# Altium PCB e-puck3-coreboard.PcbDoc (part 2 of 7)
Units mm, origin at the board's own origin, x right, y up, seen from the top; angles counter-clockwise.
Board outline 42.5 x 39.5 mm, 10 copper layers (Top Layer, Top GND Plane, Top Mid Layer 1, Top Mid Layer 2, Mid GND Plane, Bot Mid Layer 3, Bot Mid Layer 2, Bot Mid Layer 1, Bot GND Plane, Bottom Layer), stack 1.366 mm thick; 292 components, 337 nets, 1581 pads, 7018 vias.
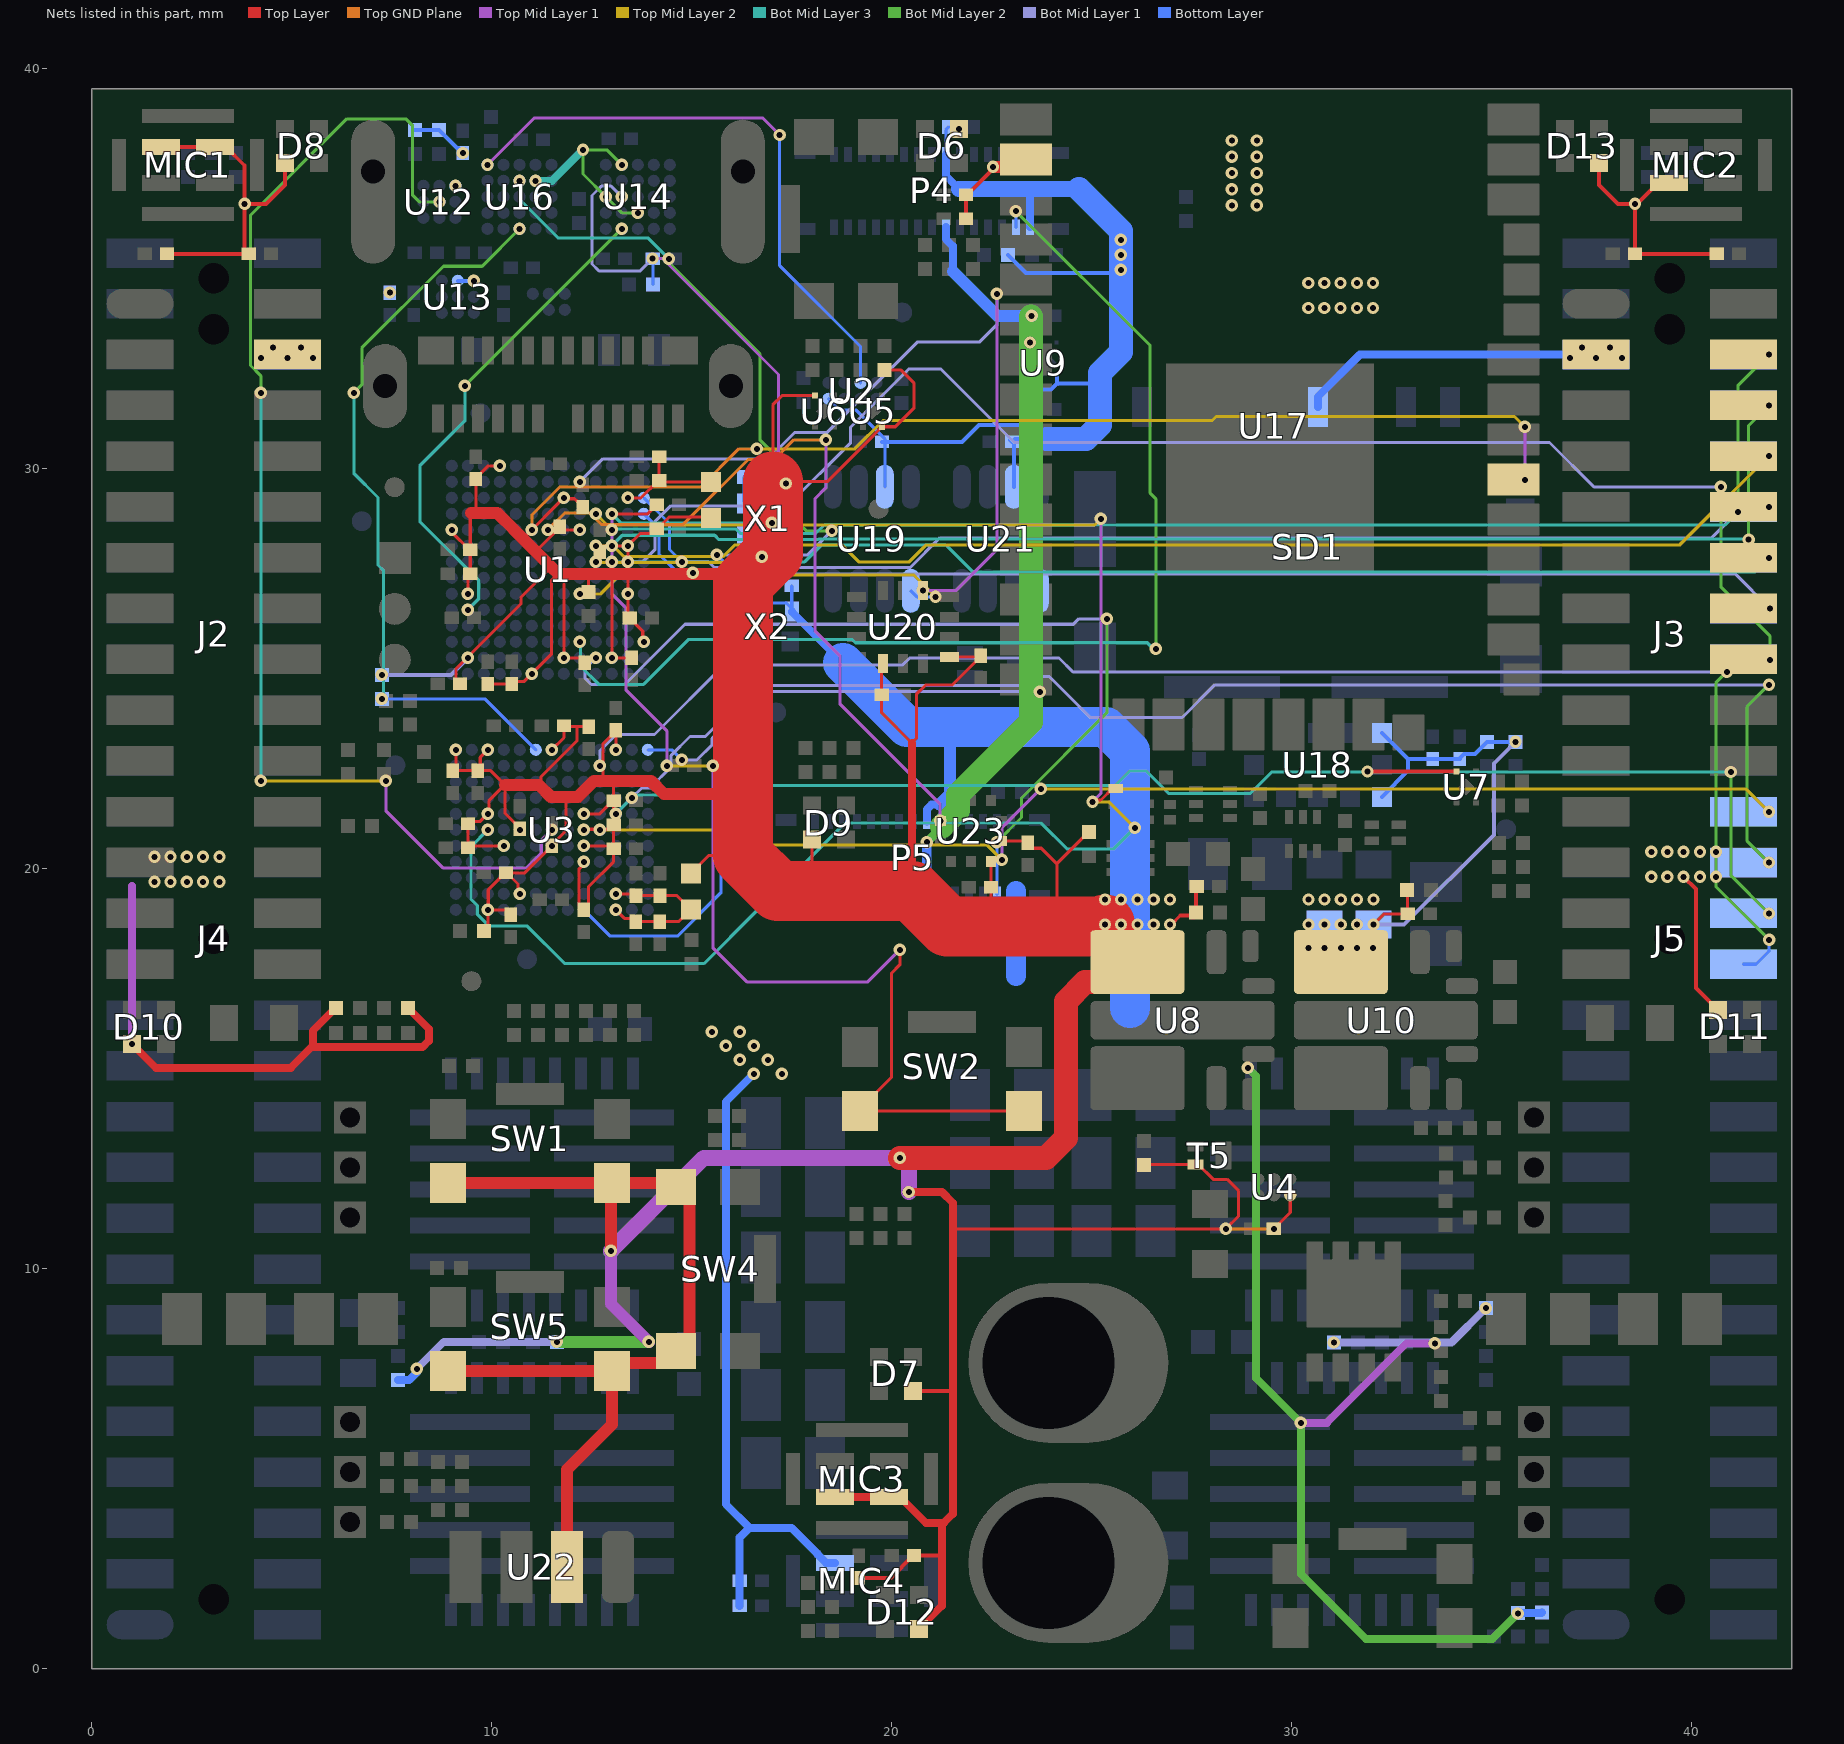
[diagram p10: the nets of this part, all layers, seen from the top]

## Part data
C1 C2 C3 C4 C5 C6 C7 C8 C9 C10 C11 C12 C13 C14 C15 C16 C17 C18 C19 C20 C21 C22 C23 C24 C25 C26 C27 C28 C29 C30 C31 C32 C33 C34 C35 C36 C37 C38 C39 C40 C41 C42 C44 C45 C46 C48 C57 C58 C59 C61 C62 C63 C64 C65 C66 C67 C68 C69 C70 C71 C72 C73 C74 C75 C76 C77 C78 C79 C80 C81 C82 C83 C84 C85 C87 C88: library part "TBD Capacitor[[/\]]0201[[/\]]1", "Capacitor 0201", Currentie=CHF, Manufacturer=-, DateLastUpdate="2018-10-19 / 8:59:52 AM", Footprint Acort=0201, Manufacturer Part Number=-, Note="To buy by assembler", Package / Case="Capacitor 0201", Preference=1, ROHS=True, Size=0201, Type=SMD
C43 C47 C53_1 C53_2 C53_3 C53_4 C54_1 C54_2 C54_3 C54_4 C55_1 C55_2 C55_3 C55_4: library part "TBD Capacitor[[/\]]0805[[/\]]1", "Capacitor 0805", Currentie=CHF, Manufacturer=TDK, Manufacturer Part Number=C2012X5R1V226M125AC, DateLastUpdate="2012-11-19 / 14:37:26", Footprint Acort=0805_G, Note="To buy by assembler", Package / Case="Capacitor 0805", Preference=1, ROHS=True, Size=0805, Type=SMD
C49 C50 C52_1 C52_2 C52_3 C52_4: library part "TBD Capacitor[[/\]]0603[[/\]]1", "Capacitor 0603", Currentie=CHF, Manufacturer=-, DateLastUpdate="2012-11-19 / 14:36:40", Footprint Acort=0603_G, Manufacturer Part Number=-, Note="To buy by assembler", Package / Case="Capacitor 0603", Preference=1, ROHS=True, Size=0603, Type=SMD
C51_1 C51_2 C51_3 C51_4 C60: library part "TBD Capacitor[[/\]]0402[[/\]]1", "Capacitor 0402", Currentie=CHF, Manufacturer=-, DateLastUpdate="2012-11-19 / 14:35:51", Footprint Acort=0402, Manufacturer Part Number=-, Note="To buy by assembler", Package / Case="Capacitor 0402", Preference=1, ROHS=True, Size=0402, Type=SMD
C56_1 C56_2 C56_3 C56_4: library part "TBD Capacitor[[/\]]0805[[/\]]1", "Capacitor 0805", Currentie=CHF, Manufacturer=-, DateLastUpdate="2012-11-19 / 14:37:26", Footprint Acort=0805_G, Manufacturer Part Number=-, Note="To buy by assembler", Package / Case="Capacitor 0805", Preference=1, ROHS=True, Size=0805, Type=SMD
D1 D2 D3 D4: "Schottky Diodes & Rectifiers 203 Package Schottky Diodes", Average Rectified Current=30mA, Case/Package=0201, Case Code (Metric)=0603, Forward Current=200mA, Manufacturer="Micro Commercial Co", Max Operating Temperature=125°C, Max Power Dissipation=100mW, Max Repetitive Reverse Voltage (Vrrm)=40V, Package / Case="Diode 0201", Package Quantity=10000, Peak Reverse Current=500nA, Reverse Voltage (DC)=28V, Supplier Part Number 1=RB751S-40DP-TPMSCT-ND, Case Code (Imperial)=0201, Element Configuration=Single, Height=0.34mm, Length=0.67mm, Manufacturer Part Number=RB751S-40DP-TP, Max Forward Surge Current (Ifsm)=200mA, Max Reverse Voltage (DC)=40V, Mount="Surface Mount", Note="To buy by assembler", Packaging="Tape and Reel", Pricing 1="1=0.3, 10=0.27, 100=0.1514, 500=0.08112, 1000=0.05516 (USD)", Stock 1=104704, Supplier 1=Digi-Key, Termination=SMD/SMT, Type=SMD, Width=0.37mm
D5: "DIODE ZENER 5.1V 250MW 2DFN", Case/Package=DFN, Manufacturer="Diodes Incorporated", Max Operating Temperature=150°C, Max Power Dissipation=250mW, Max Reverse Leakage Current=200nA, Min Operating Temperature=-55°C, Package / Case=X3-DFN0603-2, Package Quantity=10000, Supplier Part Number 1=GDZ5V1LP3-7DICT-ND, Tolerance=5%, Zener Voltage=5.1V, ComponentLink1Description=https://www.diodes.com/assets/Datasheets/GDZxVxLP3.pdf, ComponentLink1URL=https://www.diodes.com/assets/Datasheets/GDZxVxLP3.pdf, Element Configuration=Single, Height=0.3mm, Length=0.62mm, Manufacturer Part Number=GDZ5V1LP3-7, Mount="Surface Mount", Note="To buy by assembler", Number of Pins=2, Packaging="Tape and Reel", Peak Reverse Current=200nA, Power Rating=250mW, Pricing 1="1=0.37, 10=0.303, 100=0.1607, 500=0.1057, 1000=0.07188 (USD)", Radiation Hardening=No, REACH SVHC="No SVHC", Stock 1=50190, Supplier 1=Digi-Key, Type=SMD, Voltage Tolerance=5%, Width=0.32mm, Zener Current=200nA
D6 D7 D8 D9 D10 D11 D12 D13: "QuasarBrite LED RGB (Full color 0404 SMD LED), 3x 2mA", Currentie=CHF, Manufacturer="Lumex Inc", Package / Case="LED 0404", Supplier Part Number 1=696-LX0404SIUPGUSB, ComponentLink1Description="Manufacturer link", ComponentLink1URL=http://www.lumex.com/en/products/detail/leds7/surface_mount4/0404_package/, ComponentLink2Description="Supplier link", ComponentLink2URL=http://www.mouser.ch/ProductDetail/Lumex/SML-LX0404SIUPGUSB/?qs=%2fha2pyFaduhVJD5ZRhDg%2ft7CXH9HmwqzW0VFa3tCuDCfVLKu7L8ofw8YssAqq7i9, DateLastUpdate="2015-06-26 / 09:49:20", Footprint Acort=ToDefine, Manufacturer Nr=SML-LX0404SIUPGUSB, Manufacturer Part Number=SML-LX0404SIUPGUSB, Note="To buy by assembler", Preference=1, ROHS=True, Size=0404, Supplier 1=Mouser, Type=SMD
D14: "TVS DIODE 22V 41V 1610", Manufacturer=STMicroelectronics, Package / Case="QFN 1610", Supplier Part Number 1=497-16913-1-ND, ComponentLink1Description=http://www.farnell.com/datasheets/2236209.pdf?src-supplier=Farnell, ComponentLink1URL=http://www.farnell.com/datasheets/2236209.pdf?src-supplier=Farnell, ComponentLink2Description=http://www.st.com/content/ccc/resource/technical/document/datasheet/group3/e4/43/53/b9/4e/8a/40/bb/DM00312034/files/DM00312034.pdf/jcr:content/translations/en.DM00312034.pdf?src-supplier=Digi-Key, ComponentLink2URL=http://www.st.com/content/ccc/resource/technical/document/datasheet/group3/e4/43/53/b9/4e/8a/40/bb/DM00312034/files/DM00312034.pdf/jcr:content/translations/en.DM00312034.pdf?src-supplier=Digi-Key, ComponentLink3Description=http://www.farnell.com/datasheets/2236209.pdf?src-supplier=Newark, ComponentLink3URL=http://www.farnell.com/datasheets/2236209.pdf?src-supplier=Newark, Manufacturer Part Number=ESDA25P35-1U1M, Note="To buy by assembler", Pricing 1="1 = 0,46000, 10 = 0,37300, 100 = 0,25380, 500 = 0,19034, 1000 = 0,14276, 2500 = 0,13086 (USD)", ROHS=No, Stock 1=80, Supplier 1=Digi-Key, Type=SMD
D15: "IC ESD FILTER COM MODE 5FLIPCHIP", Case/Package=SMD/SMT, DC Resistance (DCR)=3R, Frequency=2.2GHz, Manufacturer=STMicroelectronics, Max Operating Temperature=85°C, Min Operating Temperature=-40°C, Package / Case="Flip Chip 5 bumps", Package Quantity=5000, Supplier Part Number 1=497-12953-1-ND, ComponentLink1Description=http://www.st.com/st-web-ui/static/active/en/resource/technical/document/data_brief/DM00047758.pdf, ComponentLink1URL=http://www.st.com/st-web-ui/static/active/en/resource/technical/document/data_brief/DM00047758.pdf, ComponentLink2Description=http://www.st.com/content/ccc/resource/technical/document/data_brief/b5/64/4d/9e/10/b2/49/ce/DM00047758.pdf/files/DM00047758.pdf/jcr:content/translations/en.DM00047758.pdf, ComponentLink2URL=http://www.st.com/content/ccc/resource/technical/document/data_brief/b5/64/4d/9e/10/b2/49/ce/DM00047758.pdf/files/DM00047758.pdf/jcr:content/translations/en.DM00047758.pdf, Lead Free="Lead Free", Manufacturer Part Number=ECMF02-2BF3, Mount="Surface Mount", Note="To buy by assembler", Number of Lines=2, Packaging="Tape and Reel", Pricing 1="1=0.65, 10=0.56, 100=0.4182, 500=0.32858, 1000=0.2539 (USD)", Radiation Hardening=No, Stock 1=11040, Supplier 1=Digi-Key, Termination=Flat, Type=SMD
J1: "Micro Solder Jumper 2 leads", DateLastUpdate="2008-02-26 / 09:57:0", Footprint Acort=ToDefine, Preference=1, Type=SMD
J2 J3: ".050 MICRO STRIPS", Manufacturer=Samtec, Package / Case=Connector, Supplier Part Number 1=FLE-114-01-G-DV-A-ND, ComponentLink1Description=http://suddendocs.samtec.com/prints/fle-1xx-xx-xx-dv-x-mkt.pdf?src-supplier=Digi-Key, ComponentLink1URL=http://suddendocs.samtec.com/prints/fle-1xx-xx-xx-dv-x-mkt.pdf?src-supplier=Digi-Key, ComponentLink2Description=http://cloud.samtec.com/catalog_english/FLE_SM.PDF?src-supplier=Avnet, ComponentLink2URL=http://cloud.samtec.com/catalog_english/FLE_SM.PDF?src-supplier=Avnet, Contact Plating=Gold, Gender=Female, Manufacturer Part Number=FLE-114-01-G-DV-A, Note="To buy by assembler", Number of Contacts=28, Number of Rows=2, Pitch=1.27mm, Pricing 1="1 = 4,47000 (USD)", ROHS=Yes, Stock 1=0, Supplier 1=Digi-Key, Termination=Solder, Type=SMD
J4 J5: ".050 MICRO STRIPS", Contact Resistance=15mR, Housing Color=Black, Manufacturer=Samtec, Max Operating Temperature=125°C, Min Operating Temperature=-55°C, Package / Case=Connector, Supplier Part Number 1=FLE-128-01-G-DV-A-K-TR-ND, ComponentLink1Description=http://components.arrow.com/part/dataview/0323_04389637?src-supplier=Arrow+Europe, ComponentLink1URL=http://components.arrow.com/part/dataview/0323_04389637?src-supplier=Arrow+Europe, ComponentLink2Description=http://cloud.samtec.com/catalog_english/FLE_SM.PDF?src-supplier=Avnet, ComponentLink2URL=http://cloud.samtec.com/catalog_english/FLE_SM.PDF?src-supplier=Avnet, Contact Material=Bronze, Contact Plating=Gold, Depth=3.33mm, Gender=Female, Housing Material=Polymer, Length=35.67mm, Manufacturer Part Number=FLE-128-01-G-DV-A, Note="To buy by assembler", Number of Contacts=56, Number of Rows=2, Orientation=Straight, Packaging="Tape and Reel", Pitch=1.27mm, Pricing 1="125 = 5,40800 (USD)", ROHS=Yes, Stock 1=0, Supplier 1=Digi-Key, Termination=Solder, Type=SMD
L1 L2: "FERRITE BEAD 600 OHM 0402 1LN", Manufacturer=TDK, Package / Case="Ferrite bead 0402", Supplier Part Number 1=445-175172-1-ND, ComponentLink1Description=https://product.tdk.com/info/en/catalog/datasheets/beads_commercial_signal_mmz1005-h_en.pdf?src-supplier=Digi-Key, ComponentLink1URL=https://product.tdk.com/info/en/catalog/datasheets/beads_commercial_signal_mmz1005-h_en.pdf?src-supplier=Digi-Key, Manufacturer Part Number=MMZ1005S601HT000, Note="To buy by assembler", Pricing 1="1 = 0,10000, 10 = 0,07300, 25 = 0,06600, 50 = 0,05940, 100 = 0,04360, 250 = 0,03168, 500 = 0,02904, 1000 = 0,02508, 5000 = 0,01980 (USD)", ROHS=No, Stock 1=33440, Supplier 1=Digi-Key, Type=SMD
MIC1 MIC2 MIC3 MIC4: "MEMS AUD MIC SENSOR OMNI 4HCLGA", Manufacturer=STMicroelectronics, Package / Case=HCLGA-4LD, Ratings=-, Supplier Part Number 1=497-17809-1-ND, Category="Audio Products", ComponentLink1Description=http://www.st.com/content/ccc/resource/technical/document/datasheet/group3/c7/90/d3/f6/b7/e7/40/c8/DM00415595/files/DM00415595.pdf/jcr:content/translations/en.DM00415595.pdf, ComponentLink1URL=http://www.st.com/content/ccc/resource/technical/document/datasheet/group3/c7/90/d3/f6/b7/e7/40/c8/DM00415595/files/DM00415595.pdf/jcr:content/translations/en.DM00415595.pdf, Direction=Omnidirectional, Height (Max)="0.043\" (1.10mm)", Manufacturer Part Number=MP34DT05TR-A, Note="To buy by assembler", Output Type="Digital, PDM", Packaging="Cut Tape (CT)", Part Status=Active, Port Location=Top, Pricing 1="1=1.41, 10=1.117, 100=0.8855, 500=0.7535, 1000=0.704 (USD)", ROHS="Request Inventory Verification", S/N Ratio=64dB, Sensitivity="-26dB ±3dB @ 94dB SPL", Shape=Rectangular, Stock 1=3088, Supplier 1=Digi-Key, Termination="Solder Pads", Type=SMD
P2_1 P2_2 P2_3 P2_4: "CONN HEADER 3POS 1.25MM R/A TIN", Manufacturer=Molex, Supplier Part Number 1=0530480350-ND, Manufacturer Part Number=0530480350, Pricing 1="1 = 0,61000, 10 = 0,56900, 100 = 0,43590, 500 = 0,37900, 2500 = 0,28425, 5000 = 0,27478, 10000 = 0,25583 (USD)", ROHS=No, Stock 1=19832, Supplier 1=Digi-Key
P3: "USB Shielded I/O Receptacle; Type C; Right Angle; Surface Mount; Gold over Nickel", Manufacturer=Molex, Package / Case="USB Connector", Supplier Part Number 1=WM17992CT-ND, Manufacturer Part Number=201267-0005, Note="To buy by assembler", Pricing 1="1=2.77, 10=2.531, 25=2.3876, 50=2.292, 100=2.1965, 250=2.00552, 500=1.86228 (USD)", Stock 1=7138, Supplier 1=Digi-Key, Type=Hybrid
P4 P5: library part HIROSE_BM23FR0.6-30DS-0.35V[[/\]]1, "2 x 15 Hirose header BM23FR0.6 Serie, 0.35 pitch, SMD, Mate at 0.6mm with receptacle, 0.3A signal contacts", Currentie=CHF, Manufacturer=Hirose, Manufacturer Nr=BM23FR0.6-30DS-0.35V, Manufacturer Part Number=BM23FR0.6-30DS-0.35V(895), Package / Case=Connector, ComponentLink1Description="Supplier link", ComponentLink1URL=https://www.hirose.com/product/series/BM23FR?lang=en, DateLastUpdate="2019-09-20 / 1:27:08 PM", Footprint Acort=ToDefine, Note="To buy by assembler", Orientation=Vertical, Preference=1, Price_1=1,19, Quant_1=1, ROHS=True, Supplier=Mouser, Supplier Nr=798-3FR0630DS035V895, Type=SMD
P6: "2 Pins", Type=SMD
R1 R2 R3 R4 R5 R6 R7 R8 R9 R10 R11 R12 R14 R15 R16 R17 R18 R19 R20 R21 R24 R25 R26 R27 R28 R30_1 R30_2 R30_3 R30_4 R31_1 R31_2 R31_3 R31_4 R32_1 R32_2 R32_3 R32_4 R33_1 R33_2 R33_3 R33_4 R34_1 R34_2 R34_3 R34_4 R35_1 R35_2 R35_3 R35_4 R36_1 R36_2 R36_3 R36_4 R37_1 R37_2 R37_3 R37_4 R38_1 R38_2 R38_3 R38_4 R39_1 R39_2 R39_3 R39_4 R40 R41 R42 R43 R44 R45 R46 R47 R48 R49 R50 R51 R52 R53 R54 R55 R56 R57 R58 R59 R60 R61 R62 R63 R64 R65 R66 R67 R68 R69 R70 R71 R72 R73 R74 R75 R76 R77 R78 R79 R80 R81 R82 R83: library part TBD[[/\]]0201[[/\]]1, "Resistor 0201", Currentie=CHF, Manufacturer=-, DateLastUpdate="2018-10-19 / 9:06:49 AM", Footprint Acort=0201, Manufacturer Part Number=-, Note="To buy by assembler", Package / Case="Resistor 0201", Preference=1, ROHS=True, Size=0201, Type=SMD
R13: library part TBD[[/\]]0603[[/\]]1, "Resistor 0603", Currentie=CHF, Manufacturer=-, DateLastUpdate="2012-11-19 / 14:13:33", Footprint Acort=0603, Manufacturer Part Number=-, Note="To buy by assembler", Package / Case="Resistor 0603", Preference=1, ROHS=True, Size=0603, Type=SMD
R22 R23 R29: library part TBD[[/\]]0402[[/\]]1, "Resistor 0402", Currentie=CHF, Manufacturer=-, DateLastUpdate="2012-11-19 / 14:13:38", Footprint Acort=0402, Manufacturer Part Number=-, Note="To buy by assembler", Package / Case="Resistor 0402", Preference=1, ROHS=True, Size=0402, Type=SMD
SD1: "Conn Micro SD Card HDR 8 POS 1.09mm Solder RA SMD Embossed T/R 0.5A", Manufacturer=Molex, Max Operating Temperature=85°C, Max Voltage Rating (DC)=5V, Min Operating Temperature=-40°C, Package / Case="Micro SD receptacle", Package Quantity=6000, Supplier Part Number 1=WM14405CT-ND, ComponentLink1Description=https://datasheet.ciiva.com/29723/1051620101-sd-29723393.pdf?src-supplier=Digi-Key, ComponentLink1URL=https://datasheet.ciiva.com/29723/1051620101-sd-29723393.pdf?src-supplier=Digi-Key, Connector Type=Connector, Contact Material=Bronze, Contact Plating=Gold, Depth=7.6mm, Housing Material=Thermoplastic, Length=11.3mm, Manufacturer Part Number=1051620001, Mount="Surface Mount", Note="To buy by assembler", Number of Circuits=8, Number of Contacts=8, Number of Rows=1, Orientation="Right Angle", Packaging="Tape and Reel", Pitch=1.09mm, Pricing 1="1 = 0,92000, 10 = 0,81300, 100 = 0,70110, 500 = 0,57360, 1000 = 0,50987 (USD)", Radiation Hardening=No, ROHS=Yes, Stock 1=20361, Supplier 1=Digi-Key, Termination=Solder, Type=SMD
SW1 SW2 SW3 SW4 SW5 SW6: "KMR221GLFS", Contact Rating @ Voltage="0.05A @ 32VDC", Currentie=CHF, Illumination Type, Color=-, Manufacturer=C&K, Manufacturer Nr=7-188275-6, Operating Force=200gf, Operating Temperature="-40°C ~ 85°C", Package / Case="SMD Button", Supplier Part Number 1=401-1427-1-ND, Actuator Height off PCB, from Pins=1.90mm, Actuator Material=-, Actuator Orientation="Top Actuated", Actuator Type=Standard, Category=Switches, Circuit=SPST-NO, ComponentLink1Description=Datasheet, ComponentLink1URL=http://ecommas.tycoelectronics.com/commerce/DocumentDelivery/DDEController?Action=showdoc&DocId=Customer+Drawing%7F188275%7FR%7Fpdf%7FEnglish%7FC_188275_R.pdf, ComponentLink2Description="Farnell link", ComponentLink2URL=http://fr.farnell.com/jsp/displayProduct.jsp?sku=1056234, ComponentLink3Description=http://www.ck-components.com/index.php?module=media&action=Display&cmpref=14414&lang=en&width=&height=&format=&alt=, ComponentLink3URL=http://www.ck-components.com/index.php?module=media&action=Display&cmpref=14414&lang=en&width=&height=&format=&alt=, DateLastUpdate="2007-12-04 / 09:15:57", Features="Grounding Pin", Footprint Acort=ToDefine, Illumination=Non-Illuminated, Illumination Voltage (Nominal)=-, Ingress Protection=-, Manufacturer Part Number=KMR221GLFS, Mechanical Life="200,000 Cycles", Mounting Type="Surface Mount", Note="To buy by assembler", Orientation=Vertical, Outline="4.60mm x 2.80mm", Packaging="Cut Tape (CT)", Preference=1, Price_1=1,1, Price_2=0,924, Pricing 1="1=0.51, 10=0.493, 25=0.484, 50=0.4656, 100=0.4017, 250=0.3652, 500=0.34694, 1000=0.2739 (USD)", Quant_1=10, Quant_2=900, ROHS=True, Stock 1=20549, Supplier=Farnell, Supplier 1=Digi-Key, Supplier Nr=1056234, Switch Function=Off-Mom, Switch Travel=0.25mm, Termination Style="Gull Wing", Type=SMD
T1: "Power transistor", Manufacturer="ON Semiconductor / Fairchild", Max Operating Temperature=150°C, Min Operating Temperature=-55°C, Package / Case="Dual Cool 33", Supplier Part Number 1=FDMC8010DCOSCT-ND, Element Configuration=Dual, Manufacturer Part Number=FDMC8010DC, Mount="Surface Mount", Note="To buy by assembler", Pricing 1="1 = 1,29000, 10 = 1,15600, 100 = 0,90120, 500 = 0,74448, 1000 = 0,58774 (USD)", ROHS=No, Stock 1=36, Supplier 1=Digi-Key, Type=SMD, Weight=0.039g
T2 T3 T4: "DUAL N-CHANNEL 30V", Continuous Drain Current (ID)=590mA, Drain to Source Voltage (Vdss)=30V, Input Capacitance=30.3pF, Manufacturer="NXP Semiconductors", Max Operating Temperature=150°C, Max Power Dissipation=285mW, Min Operating Temperature=-55°C, Package / Case=DFN1010B-6, Supplier Part Number 1=1727-2277-1-ND, FET Type="2 N-Channel", Manufacturer Part Number=PMDXB550UNEZ, Mount="Surface Mount", Note="To buy by assembler", Packaging="Tape and Reel", Pricing 1="1=0.48, 10=0.379, 100=0.2601, 500=0.17838, 1000=0.13379 (USD)", Rds On Max=670mR, Stock 1=5582, Supplier 1=Digi-Key, Type=SMD
T5: "MOSFET P-CH 50V 230MA 3DFN", Manufacturer=Nexperia, Supplier Part Number 1=1727-1264-1-ND, ComponentLink1Description=https://assets.nexperia.com/documents/data-sheet/BSS84AKMB.pdf?src-supplier=Digi-Key, ComponentLink1URL=https://assets.nexperia.com/documents/data-sheet/BSS84AKMB.pdf?src-supplier=Digi-Key, Manufacturer Part Number=BSS84AKMB,315, Pricing 1="1 = 0,29000, 10 = 0,23700, 25 = 0,19800, 100 = 0,09680, 500 = 0,08074, 1000 = 0,05610, 2500 = 0,05214, 5000 = 0,04510 (USD)", ROHS=No, Stock 1=17379, Supplier 1=Digi-Key
U1: library part STM32F77XAXY, "High Performance 32bits microcontroler", Manufacturer=STMicroelectronics, Manufacturer_Part_Number=stm32f779aiy, Package / Case=WLCSP-180, C="Copyright (C) 2016 Accelerated Designs. All rights reserved", Copyright="Copyright (C) 2016 Accelerated Designs. All rights reserved", Manufacturer Part Number=STM32F779AIY, Note="To buy by assembler", RefDes=RefDes, Type=SMD, Vendor=STMicroelectronics
U2: "IC GATE OR 2CH 2-INP 8DSBGA", High Level Output Current=-4mA, Low Level Output Current=4mA, Manufacturer="Texas Instruments", Max Operating Temperature=85°C, Max Supply Voltage=3.6V, Min Operating Temperature=-40°C, Min Supply Voltage=800mV, Output Current=20mA, Package / Case=DSBGA-8, Package Quantity=1, Quiescent Current=500nA, Supplier Part Number 1=296-25209-1-ND, ComponentLink1Description=https://datasheet.ciiva.com/4219/4951sn74aup2g32-4219026.pdf?src-supplier=Arrow, ComponentLink1URL=https://datasheet.ciiva.com/4219/4951sn74aup2g32-4219026.pdf?src-supplier=Arrow, ComponentLink2Description=https://datasheet.ciiva.com/1867/sn74aup2g32-1867078.pdf?src-supplier=Digi-Key, ComponentLink2URL=https://datasheet.ciiva.com/1867/sn74aup2g32-1867078.pdf?src-supplier=Digi-Key, ComponentLink3Description=https://datasheet.ciiva.com/1867/sn74aup2g32-1867079.pdf?src-supplier=Digi-Key, ComponentLink3URL=https://datasheet.ciiva.com/1867/sn74aup2g32-1867079.pdf?src-supplier=Digi-Key, ComponentLink4Description=https://datasheet.ciiva.com/1867/sn74aup2g32-1867080.pdf?src-supplier=Digi-Key, ComponentLink4URL=https://datasheet.ciiva.com/1867/sn74aup2g32-1867080.pdf?src-supplier=Digi-Key, ComponentLink5Description=https://datasheet.ciiva.com/14309/sn74aup2g32-14309790.pdf?src-supplier=Avnet, ComponentLink5URL=https://datasheet.ciiva.com/14309/sn74aup2g32-14309790.pdf?src-supplier=Avnet, Lead Free="Lead Free", Logic Function=OR, Manufacturer Part Number=SN74AUP2G32YFPR, Mount="Surface Mount", Note="To buy by assembler", Number of Bits=2, Number of Circuits=2, Number of Elements=2, Number of Gates=2, Number of Input Lines=2, Number of Inputs=2, Number of Output Lines=2, Number of Outputs=1, Number of Pins=8, Output Voltage=3.6V, Packaging="Tape and Reel", Pricing 1="1 = 0,64000, 10 = 0,56100, 100 = 0,43000, 500 = 0,33990, 1000 = 0,27192 (USD)", Propagation Delay=6.2ns, Radiation Hardening=No, ROHS=Yes, Stock 1=2550, Supplier 1=Digi-Key, Type=SMD
U3: library part STM32F74XZXY, "High Performance 32bits microcontroler", Manufacturer=STMicroelectronics, Manufacturer_Part_Number=stm32f746ZGY, Package / Case=WLCSP-143, C="Copyright (C) 2016 Accelerated Designs. All rights reserved", Copyright="Copyright (C) 2016 Accelerated Designs. All rights reserved", Manufacturer Part Number=STM32F746ZGY, Note="To buy by assembler", RefDes=RefDes, Type=SMD, Vendor=STMicroelectronics
U4: Manufacturer=Toshiba, Package / Case=WSCSP6E, Supplier Part Number 1=TCK401GLFCT-ND, Manufacturer Part Number=TCK401G,LF, Note="To buy by assembler", Pricing 1="1 = 0,62000, 10 = 0,54400, 25 = 0,51080, 100 = 0,41690, 250 = 0,38728, 500 = 0,32960, 1000 = 0,26368, 2500 = 0,23896 (USD)", ROHS=No, Stock 1=12722, Supplier 1=Digi-Key, Type=SMD
U5 U6 U7: "OPAMP", Manufacturer="Texas Instruments", Max Operating Temperature=125°C, Min Operating Temperature=-40°C, Package / Case=X2SON-5, Supplier Part Number 1=296-49053-1-ND, ComponentLink1Description=http://www.ti.com/lit/ds/symlink/tlv9061.pdf?src-supplier=Farnell, ComponentLink1URL=http://www.ti.com/lit/ds/symlink/tlv9061.pdf?src-supplier=Farnell, ComponentLink2Description=http://www.ti.com/lit/ds/symlink/tlv9061.pdf?src-supplier=Digi-Key, ComponentLink2URL=http://www.ti.com/lit/ds/symlink/tlv9061.pdf?src-supplier=Digi-Key, Manufacturer Part Number=TLV9061IDPWR, Note="To buy by assembler", Number of Channels=1, Pricing 1="1 = 0,59000, 10 = 0,51700, 100 = 0,39610, 500 = 0,31312, 1000 = 0,25050 (USD)", ROHS=No, Stock 1=1920, Supplier 1=Digi-Key, Type=SMD
U8 U10: "DC DC CONVERTER 1.2-6V 15W", Current - Output (Max)=2.5A, Manufacturer="Texas Instruments", Operating Temperature="-40°C ~ 85°C (With Derating)", Package / Case=QFN-FCMOD, Supplier Device Package="9-QFN-FCMOD (4.5x4)", Voltage - Input (Max)=28V, Voltage - Input (Min)=4.5V, Voltage - Output 1="1.2 ~ 6 V", Voltage - Output 2=-, Applications="ITE (Commercial)", Category="Power Supplies - Board Mount", ComponentLink1Description=http://www.ti.com/lit/ds/symlink/tpsm84209.pdf, ComponentLink1URL=http://www.ti.com/lit/ds/symlink/tpsm84209.pdf, Efficiency=86.5%, Features="OCP, OTP, UVLO", Manufacturer Part Number=TPSM84209RKHT, Mounting Type="Surface Mount", Note="To buy by assembler", Packaging="Cut Tape (CT)", Part Status=Active, Pricing 1="1=5.04, 10=4.53, 100=3.7117 (USD)", ROHS="Request Inventory Verification", Size / Dimension="0.18\" L x 0.16\" W x 0.08\" H (4.5mm x 4.0mm x 2.1mm)", Stock 1=47, Supplier 1=Digi-Key, Type=SMD, Voltage - Output 3=-, Voltage - Output 4=-
U9: "IC REG LINEAR 1.2V 300MA 4TDFN", Dropout Voltage=160mV, Manufacturer=Microchip, Manufacturer Part Number=MIC5504-1.2YMT, Max Operating Temperature=125°C, Min Current Limit=400mA, Min Operating Temperature=-40°C, Output Current=300mA, Output Voltage=1.2V, Package / Case=TDFN-4, Supplier Part Number 1=MIC5504-1.2YMT-CT-ND, ComponentLink1Description=http://www.microchip.com/mymicrochip/filehandler.aspx?ddocname=en580292&src-supplier=Digi-Key, ComponentLink1URL=http://www.microchip.com/mymicrochip/filehandler.aspx?ddocname=en580292&src-supplier=Digi-Key, Mount="Surface Mount", Note="To buy by assembler", Number of Regulators=1, Packaging="Tape and Reel", Pricing 1="1 = 0,16000, 25 = 0,13400, 100 = 0,12360 (USD)", ROHS=Yes, Stock 1=2603, Supplier 1=Digi-Key, Type=SMD
U11_1 U11_2 U11_3 U11_4: "11A integrated 3 half-bridges for brushless motor", Manufacturer="Monolithic Power Systems", Package / Case=QFN-26, Manufacturer Part Number=MP6542A, Note="Provided by Customer", Type=SMD
U12: "USB Type-C Port Controller 9-Pin WLCSP T/R", Manufacturer="ON Semiconductor / Fairchild", Max Operating Temperature=85°C, Min Operating Temperature=-40°C, Operating Supply Current=25uA, Package / Case=WLCSP-9, Supplier Part Number 1=FUSB302UCXCT-ND, Contact Plating=Copper,Silver,Tin, Interface=USB, Lead Free="Lead Free", Manufacturer Part Number=FUSB302UCX, Mount="Surface Mount", Note="To buy by assembler", Number of Pins=9, Packaging="Tape and Reel", Stock 1=0, Supplier 1=Digi-Key, Type=SMD, Weight=0.0373333g
U13: "IC OVERVOLTAGE PROT CTRL 9DSBGA", Manufacturer="Texas Instruments", Max Operating Temperature=85°C, Min Operating Temperature=-40°C, Package / Case=DSBGA-9, Supplier Part Number 1=296-50034-1-ND, Interface=USB, Manufacturer Part Number=TPD2S300YFFR, Note="To buy by assembler", Pricing 1="1=1.22, 10=1.094, 100=0.8532, 500=0.70482, 1000=0.55643 (USD)", Stock 1=1190, Supplier 1=Digi-Key, Type=SMD
U14: "IC TXRX USB 2.0 FLEXPWR 25WLCSP", Manufacturer=Microchip, Package / Case=25WLCSP, Package Quantity=3000, Supplier Part Number 1=USB3333E-GL-TR-ND, ComponentLink1Description=https://datasheet.ciiva.com/6634/usb333x-6634538.pdf?src-supplier=Digi-Key, ComponentLink1URL=https://datasheet.ciiva.com/6634/usb333x-6634538.pdf?src-supplier=Digi-Key, Data Rate=480Mbps, Manufacturer Part Number=USB3333E-GL-TR, Note="To buy by assembler", Packaging="Tape and Reel", Pricing 1="3000 = 1,47949 (USD)", ROHS=Yes, Stock 1=0, Supplier 1=Digi-Key, Type=SMD
U16: "IC HUB CTLR 3PORT USB 2.0 25CSP", Manufacturer=Microchip, Max Operating Temperature=70°C, Max Supply Voltage=3.6V, Min Operating Temperature=0°C, Min Supply Voltage=1.2V, Operating Supply Voltage=3.3V, Package Quantity=1, Supplier Part Number 1=USB3803C-1-GL-TR-ND, ComponentLink1Description=https://datasheet.ciiva.com/18456/usb3803-18456930.pdf?src-supplier=Digi-Key, ComponentLink1URL=https://datasheet.ciiva.com/18456/usb3803-18456930.pdf?src-supplier=Digi-Key, ComponentLink2Description=https://datasheet.ciiva.com/6636/usb3803-6636271.pdf?src-supplier=Digi-Key, ComponentLink2URL=https://datasheet.ciiva.com/6636/usb3803-6636271.pdf?src-supplier=Digi-Key, Data Rate=480Mbps, ESD Protection=Yes, Height=0.38mm, Interface=USB,Serial, Lead Free="Lead Free", Length=2mm, Manufacturer Part Number=USB3803C-1-GL-TR, Mount="Surface Mount", Number of Pins=25, Number of Ports=3, Number of Transceivers=3, Packaging="Tape and Reel", Pricing 1="3000 = 1,97266 (USD)", Radiation Hardening=No, REACH SVHC="No SVHC", ROHS=Yes, Stock 1=0, Supplier 1=Digi-Key, USB Standard="USB 2.0", Width=2mm
U17: "Wi-Fi BT BLE MCU Module", Manufacturer=LilyLGo, Package / Case="SMD module", PART NUMBER="TTGO micro-32", ESPRESSIF CHIP=esp32-pico-d4, Manufacturer Part Number="TTGO micro-32 (ESP32)", Note="Provided by Customer", Type=SMD
U18: library part VL53L1CXV0FY/1_1, "Time-of-Flight sensor, 4 - 400 cm distance, OPTICAL LGA12 4.9 x 2.5 x 1.56 mm, 940 nm laser (Class 1)", Base Part Number=VL53L1X, Manufacturer=STMicroelectronics, Manufacturer Part Number=VL53L1CXV0FY/1, Operating Temperature="-20°C ~ 85°C (TA)", Package / Case="Optical LGA12", Supplier Part Number 1=497-17764-1-ND, Voltage - Output (Typ) @ Distance=-, Voltage - Supply="2.6 V ~ 3.5 V", Category="Sensors, Transducers", ComponentLink1Description=http://www.st.com/content/ccc/resource/technical/document/datasheet/group3/7d/85/c8/95/fb/3b/4e/2d/DM00452094/files/DM00452094.pdf/jcr:content/translations/en.DM00452094.pdf, ComponentLink1URL=http://www.st.com/content/ccc/resource/technical/document/datasheet/group3/7d/85/c8/95/fb/3b/4e/2d/DM00452094/files/DM00452094.pdf/jcr:content/translations/en.DM00452094.pdf, Note="To buy by assembler", Output Type=I²C, Part Status=Active, Pricing 1="1=6.62, 10=5.979, 100=4.9502 (USD)", ROHS="Request Inventory Verification", Sensing Distance="157.480\" (4m)", Stock 1=12283, Supplier 1=Digi-Key, Type=SMD, Voltage - Output Difference (Typ) @ Distance=-
U19 U21: "IC TXRX CAN 3.3V SOT23-8", Manufacturer="Texas Instruments", Max Operating Temperature=125°C, Min Operating Temperature=-40°C, Package / Case=SOT-23-8, Supplier Part Number 1=296-49939-1-ND, ComponentLink1Description=http://www.ti.com/lit/ds/symlink/tcan334.pdf?src-supplier=Digi-Key, ComponentLink1URL=http://www.ti.com/lit/ds/symlink/tcan334.pdf?src-supplier=Digi-Key, Lead Free="Lead Free", Manufacturer Part Number=TCAN334GDCNR, Note="To buy by assembler", Pricing 1="1 = 2,76000, 10 = 2,48100, 100 = 2,03260, 500 = 1,73032, 1000 = 1,45930 (USD)", ROHS=No, Stock 1=2700, Supplier 1=Digi-Key, Type=SMD
U20: "IMU 6-AXIS", Manufacturer=STMicroelectronics, Package / Case=STM_LGA_14L, Supplier Part Number 1=497-18367-1-ND, Manufacturer Part Number=LSM6DSOXTR, Note="To buy by assembler", Pricing 1="1 = 4,91000, 10 = 4,41300, 100 = 3,61530, 500 = 3,07764, 1000 = 2,59560 (USD)", ROHS=No, Stock 1=2573, Supplier 1=Digi-Key, Type=SMD
U22: library part TSOP75436WTT[[/\]]1, "Vishay 	TSOP75436WTT IR Receiver Modules for Remote Control Systems", Currentie=CHF, Manufacturer=Vishay, Package / Case="SMD module", ClassName=TouchingKeepout, ComponentLink1Description=Datasheet, ComponentLink1URL=http://www.vishay.com/docs/82496/tsop752w.pdf, ComponentLink2Description="Farnell link", ComponentLink2URL=http://ch.farnell.com/fr-CH/vishay/tsop75436wtt/recepteur-ir-heimdall-agc4-36khz/dp/2251419, DateLastUpdate="2014-11-27 / 08:18:45", Footprint Acort=ToDefine, Manufacturer Nr=TSOP75436WTT, Manufacturer Part Number=TSOP75436WTT, Note="To buy by assembler", Preference=1, Price_1=1.144, Price_2=1.056, Price_3=0.924, Quant_1=1, Quant_2=50, Quant_3=200, ROHS=True, Size=TSOP752-754, Supplier=Farnell, Supplier Nr=2251419, Type=SMD
U23: "Pressure Sensor", Manufacturer=STMicroelectronics, Package / Case=STM_HLGA_10L, Supplier Part Number 1=497-18182-1-ND, ComponentLink1Description=https://www.st.com/resource/en/datasheet/lps22hh.pdf?src-supplier=Digi-Key, ComponentLink1URL=https://www.st.com/resource/en/datasheet/lps22hh.pdf?src-supplier=Digi-Key, ComponentLink2Description=https://www.st.com/resource/en/data_brief/lps22hh.pdf?src-supplier=Digi-Key, ComponentLink2URL=https://www.st.com/resource/en/data_brief/lps22hh.pdf?src-supplier=Digi-Key, Manufacturer Part Number=LPS22HHTR, Note="To buy by assembler", Pricing 1="1 = 3,50000, 10 = 3,14200, 100 = 2,57400, 500 = 2,19120, 1000 = 1,84800 (USD)", ROHS=No, Stock 1=8271, Supplier 1=Digi-Key, Type=SMD
X1 X2: "26MHz LVCMOS MEMS (Silicon) Oscillator  1.71 V ~ 3.63 V Enable/Disable", Manufacturer=Microchip, Package / Case=VFLGA-4, Supplier Part Number 1=DSC6001HE2A-026.0000-ND, Manufacturer Part Number=DSC6001HE2A-026.0000, Note="To buy by assembler", Pricing 1="1 = 1,07000, 25 = 0,89600, 100 = 0,81370 (USD)", ROHS=No, Stock 1=797, Supplier 1=Digi-Key, Type=SMD
P1: Type=SMD

## Free pads (board coordinates)
  round 0.5 smd far side paste-5 mask+0.5: Fiducial(6.75,28.69) Fiducial(7.59,22.59) Fiducial(9.72,31.39) Fiducial(10.88,17.74) Fiducial(17.11,23.91) Fiducial(20.26,33.91) Fiducial(35.36,20.99)
  round 0.5 smd paste-5 mask+0.5: Fiducial(7.57,29.54) Fiducial(9.49,17.19) Fiducial(19.67,29)

## Via types
v1: diameter 0.304, hole 0.15, Bot GND Plane to Bottom Layer, 1160 vias
v2: diameter 0.304, hole 0.15, Bot Mid Layer 1 to Bot GND Plane, 1106 vias
v3: diameter 0.304, hole 0.15, Bot Mid Layer 2 to Bot Mid Layer 1, 1042 vias
v4: diameter 0.304, hole 0.15, Bot Mid Layer 3 to Bot Mid Layer 2, 765 vias
v5: diameter 0.304, hole 0.15, Mid GND Plane to Bot Mid Layer 3, 706 vias
v6: diameter 0.304, hole 0.15, Top Mid Layer 2 to Mid GND Plane, 706 vias
v7: diameter 0.304, hole 0.15, Top Mid Layer 1 to Top Mid Layer 2, 585 vias
v8: diameter 0.304, hole 0.15, Top GND Plane to Top Mid Layer 1, 493 vias
v9: diameter 0.304, hole 0.15, Top Layer to Top GND Plane, 343 vias
v10: diameter 0.304/0.15/0.15/0.15/0.15/0.15/0.15/0.15/0.15/0.304 (per signal layer), hole 0.15, Top Layer to Bottom Layer, 39 vias
v11: diameter 0.304/0.304/0.15/0.15/0.304/0.15/0.15/0.15/0.304/0.304 (per signal layer), hole 0.15, Top Layer to Bottom Layer, 38 vias
v12: diameter 0.304/0.15/0.304/0.15/0.304/0.304/0.15/0.15/0.304/0.304 (per signal layer), hole 0.15, Top Layer to Bottom Layer, 10 vias
v13: diameter 0.304/0.304/0.15/0.15/0.15/0.15/0.15/0.15/0.15/0.304 (per signal layer), hole 0.15, Top Layer to Bottom Layer, 8 vias
v14: diameter 0.304/0.304/0.15/0.15/0.304/0.15/0.15/0.15/0.15/0.304 (per signal layer), hole 0.15, Top Layer to Bottom Layer, 4 vias
v15: diameter 0.304/0.304/0.15/0.15/0.304/0.15/0.15/0.15/0.304/0.15 (per signal layer), hole 0.15, Top Layer to Bottom Layer, 4 vias
v16: diameter 0.304/0.15/0.304/0.304/0.304/0.304/0.15/0.304/0.304/0.304 (per signal layer), hole 0.15, Top Layer to Bottom Layer, 2 vias
v17: diameter 0.304/0.15/0.15/0.15/0.304/0.15/0.15/0.15/0.304/0.304 (per signal layer), hole 0.15, Top Layer to Bottom Layer, 2 vias
v18: diameter 0.304/0.15/0.15/0.15/0.15/0.15/0.15/0.304/0.15/0.304 (per signal layer), hole 0.15, Top Layer to Bottom Layer, 1 vias
v19: diameter 0.304/0.15/0.304/0.15/0.15/0.304/0.15/0.15/0.15/0.304 (per signal layer), hole 0.15, Top Layer to Bottom Layer, 1 vias
v20: diameter 0.304/0.15/0.15/0.15/0.304/0.15/0.15/0.15/0.15/0.304 (per signal layer), hole 0.15, Top Layer to Bottom Layer, 1 vias
v21: diameter 0.304/0.15/0.15/0.15/0.15/0.15/0.304/0.15/0.15/0.304 (per signal layer), hole 0.15, Top Layer to Bottom Layer, 1 vias
v22: diameter 0.304/0.15/0.304/0.15/0.15/0.15/0.15/0.15/0.15/0.304 (per signal layer), hole 0.15, Top Layer to Bottom Layer, 1 vias

## Nets (pads, with @x,y where several pads share a name; then routed paths per layer and width w, separated by ;. In a path a pad name is that pad's centre, name@x,y a point inside that pad or via, vN(x,y) a via of type N, cw(c..) or ccw(c..) an arc to the next point about the centre after c; other vN are vias at no path point)
1.2V: C46.1 P4.24 P5.24 U9.1 | length 19.9
  Bot Mid Layer 2 w0.23: v3(20.875,20.665) 21.25,21.04 21.25,21.057
  Bot Mid Layer 2 w0.6: 21.25,21.057 21.65,21.457 21.65,21.851 23.475,23.676 v3@23.475,33.803
  Bottom Layer w0.2: P4.24@21.35,36.04 21.35,35.74 21.525,35.565 21.525,34.937 ; v1(23.456,33.16) U9.1@23.497,33.201
  Bottom Layer w0.23: P5.24@20.875,19.25 P5.24@20.875,19.365 v3(20.875,20.665)
  Bottom Layer w0.3: 21.525,34.937 22.637,33.825 v1(23.497,33.825) U9.1@23.497,33.201
  other v1: 20.875,20.665
  other v2: 20.875,20.665 23.456,33.16 23.497,33.825
  other v3: 23.456,33.16 23.497,33.825
3V: C1.1 C2.1 C3.1 C6.1 C7.1 C10.1 C11.1 C12.1 C13.1 C14.1 C15.1 C16.1 C17.1 C18.1 C20.1 C22.1 C23.1 C30.1 C31.1 C32.1 C33.1 C34.1 C35.1 C36.1 C37.1 C38.1 C39.1 C40.1 C41.1 C42.1 C44.1 C45.1 C48.1 C49.1 C50.1 C57.1 C65.1 C66.1 C67.1 C68.1 C69.1 C70.1 C71.1 C72.1 C73.1 C74.1 C75.1 C76.1 C77.1 C78.1 C79.1 C80.1 C81.1 C82.1 C85.1 C88.1 D6.1 D7.1 D8.1 D9.1 D10.1 D11.1 D12.1 D13.1 J2.4 J3.3 J4.52 J5.51 L1.1 L2.1 MIC1.1 MIC1.2 MIC2.1 MIC3.1 MIC3.2 MIC4.1 P4.7 P4.30 P5.7 P5.30 R2.1 R3.1 R5.2 R11.2 R14.1 R20.1 R21.1 R28.1 R36_1.1 R36_2.1 R36_3.1 R36_4.1 R37_1.1 R37_2.1 R37_3.1 R37_4.1 R64.1 R65.1 R66.1 R73.1 R78.1 R81.1 R82.1 SD1.4 SW1.2 SW4.2 SW5.2 T5.2 U1.A6 U1.B2 U1.B8 U1.B11 U1.C13 U1.F2 U1.F12 U1.J12 U1.K1 U1.K9 U1.M8 U1.P4 U2.A2 U3.A1 U3.C1 U3.C5 U3.C11 U3.D7 U3.E6 U3.E10 U3.G1 U3.G7 U3.J5 U3.J6 U3.J7 U3.J8 U3.L1 U4.A2 U5.5 U6.5 U7.5 U8.3 U9.3 U9.4 U10.3 U12.A3 U13.C2 U13.C3 U14.B3 U14.C1 U14.E2 U16.B2 U17.2 U18.1 U18.11 U19.3 U20.5 U20.8 U21.3 U22.2 U23.1 U23.10 X1.4 X2.4 | length 365
  Top Layer w0.077: v10(9,28.475) 9,28.415 9.44,27.975 C7.1@9.46,27.975 ; v10(9.1,22.975) 9.1,22.53 C41.1@9.025,22.455 C40.1@9.65,22.455 ; C14.1@9.105,24.65 9.105,25.002 10.725,26.622 10.725,26.781 11.489,27.545 ; v10(9.4,26.875) 9.4,27.315 C6.1@9.46,27.375 C7.1@9.46,27.975 ; R11.2@9.8,18.44 9.9,18.54 v10(9.9,18.975) ; v10(9.9,22.975) 9.711,22.786 9.711,22.516 C40.1@9.65,22.455 ; C3.1@9.9,24.62 C2.1@10.5,24.62 ; v10(10.2,30.075) 9.91,30.075 9.6,29.765 C15.1@9.6,29.745 9.6,29.021 9.475,28.896 9.46,28.881 C7.1@9.46,27.975 ; v10(10.3,20.575) 9.455,20.575 C37.1@9.405,20.525 C30.1@9.405,21.125 9.466,21.186 9.711,21.186 v10(9.9,21.375) 9.926,21.4 9.926,21.701 10.325,22.1 ; C42.1@10.354,18.714 10.475,18.835 C42.1@10.475,18.855 10.355,18.975 v10(9.9,18.975) ; C2.1@10.5,24.64 C2.1@10.5,24.62 ; 10.559,28.475 10.6,28.434 ; v10(10.7,19.375) 10.657,19.418 10.657,19.618 C36.1@10.375,19.9 ; C39.1@10.7,21.02 10.325,21.395 10.325,22.1 ; 10.754,28.279 10.804,28.279 v10(11.8,29.275) 11.822,29.253 12.067,29.253 12.134,29.186 12.154,29.186 12.275,29.065 C17.1@12.275,29.045 ; 11.1,27.935 11.7,28.535 C16.1@11.7,28.555 11.78,28.475 v10(12.2,28.475) ; 11.225,22.2 11.225,22.295 12.125,23.195 12.125,23.555 ; v10(11.5,22.975) 11.805,23.28 C23.1@11.805,23.575 11.825,23.555 12.125,23.555 ; 11.659,27.375 11.489,27.205 11.489,25.364 v10(11,24.875) 10.811,24.686 10.566,24.686 C2.1@10.5,24.62 ; 11.8,27.375 v10(11.8,25.275) 12.205,25.275 C12.1@12.325,25.155 ; 11.85,21.796 11.85,20.945 11.5,20.595 v10(11.5,20.575) 11.5,20.555 11.379,20.433 11.359,20.433 10.825,19.9 C36.1@10.375,19.9 ; C35.1@12.27,18.949 C35.1@12.3,18.98 ; C35.1@12.3,18.96 C35.1@12.3,18.98 ; v10(12.3,20.175) 12.3,20.114 12.175,19.989 12.175,19.325 12.179,19.321 12.179,19.101 C35.1@12.3,18.98 ; v10(12.3,20.575) 12.97,20.575 C32.1@13.045,20.5 ; v10(12.3,20.975) 12.315,20.99 12.935,20.99 C31.1@13.045,21.1 ; v10@12.343,21.417 v10(12.3,21.375) 12.7,21.375 13.025,21.7 C34.1@13.045,21.7 ; R5.2@12.421,26.922 12.421,27.375 ; C22.1@12.425,23.555 12.125,23.555 ; C10.1@12.6,28.006 12.669,28.075 v10(13.4,28.075) ; 12.775,22.196 12.775,23.115 C33.1@13.1,23.44 ; 13,27.375 v10(13,25.275) 13.495,25.275 C13.1@13.5,25.28 ; 13.05,22.196 13.045,22.191 C34.1@13.045,21.7 ; v10(13.1,22.975) C33.1@13.1,23.44 ; C33.1@13.173,23.533 C33.1@13.1,23.46 C33.1@13.1,23.44 ; C33.1@13.221,23.319 C33.1@13.1,23.44 ; v10(13.8,25.675) 13.773,25.702 13.773,25.942 13.587,26.129 13.587,26.149 13.465,26.27 C18.1@13.445,26.27 13.4,26.315 v10(13.4,26.875) 13.4,27.375 13.4,27.545 v10(13.4,28.075) ; C11.1@14.262,28.379 C11.1@14.14,28.5 ; 14.94,11.161 14.89,11.211 14.94,11.211 ; L2.1@14.974,19.885 15.418,20.329 16.275,20.329 ; L1.1@15.475,28.775 15.45,28.8 14.44,28.8 C11.1@14.14,28.5 ; 17.98,19.45 18,19.47 D9.1@18,20.73 ; U6.5@18.075,31.832 17.257,31.832 17.025,31.6 17.025,29.68 18.386,29.68 19.55,30.843 19.55,30.847 U5.5@19.754,31.051 20.086,31.051 20.55,31.515 20.55,32.15 20.233,32.467 R14.1@19.815,32.467 ; C72.1@19.765,24.35 C72.1@19.745,24.35 ; U20.5@19.775,25.137 19.745,25.107 C72.1@19.745,24.35 ; C77.1@20.535,2.83 C77.1@20.555,2.83 ; 21.245,2.83 21.25,2.825 ; U20.8@21.438,25.3 22.195,25.3 C73.1@22.225,25.33 22.225,25.31 21.51,24.595 20.845,24.595 20.613,24.363 20.613,23.258 20.5,23.146 19.745,23.902 C72.1@19.745,24.35 ; 21.525,11 v9(28.35,11) 28.67,11.32 28.67,11.95 28.383,12.237 28.033,12.237 27.665,12.605 T5.2@27.59,12.605 26.315,12.605 R66.1@26.31,12.6 R66.1@26.31,12.61 ; 22.45,18.553 22.48,18.583 C79.1@22.48,19.54 22.48,20.183 U23.10@22.475,20.188 ; U23.1@22.737,20.7 23.355,20.7 C80.1@23.4,20.655 23.4,20.635 23.521,20.514 23.737,20.514 24.125,20.125 ; 24.125,18.553 24.125,20.125 ; R21.1@24.925,20.925 24.125,20.125 ; U8.3@25.225,17.12 25.275,17.17 25.33,17.225 U8.3@25.33,17.38 ; v9(26.954,18.605) 26.982,18.605 27.212,18.835 ; C44.1@27.6,19.54 C44.1@27.62,19.56 ; C85.1@29.471,10.954 C85.1@29.471,10.974 ; C85.1@29.53,11 v9(29.55,11) ; C85.1@29.56,10.99 v9(29.55,11) ; U4.A2@29.96,11.84 29.96,11.41 29.691,11.141 29.691,11.121 29.57,11 v9(29.55,11) ; v16(32.039,18.605) 32.309,18.875 C48.1@32.895,18.875 32.895,19.455 R28.1@32.875,19.475 ; C40.1@9.65,22.455 9.97,22.455 10.325,22.1 ; v10(9.9,18.975) 9.91,18.985 9.91,19.475 10.335,19.9 C36.1@10.355,19.9 C36.1@10.375,19.9 ; C35.1@12.3,18.98 12.421,19.101 12.421,19.556 13.045,20.18 C32.1@13.045,20.5 ; C32.1@13.045,20.5 C31.1@13.045,21.1 ; C31.1@13.045,21.1 C34.1@13.045,21.7 ; v10(13.4,28.075) 13.704,28.379 13.999,28.379 C11.1@14.12,28.5 C11.1@14.14,28.5